# KiCad board adatv2.kicad_pcb (continued)
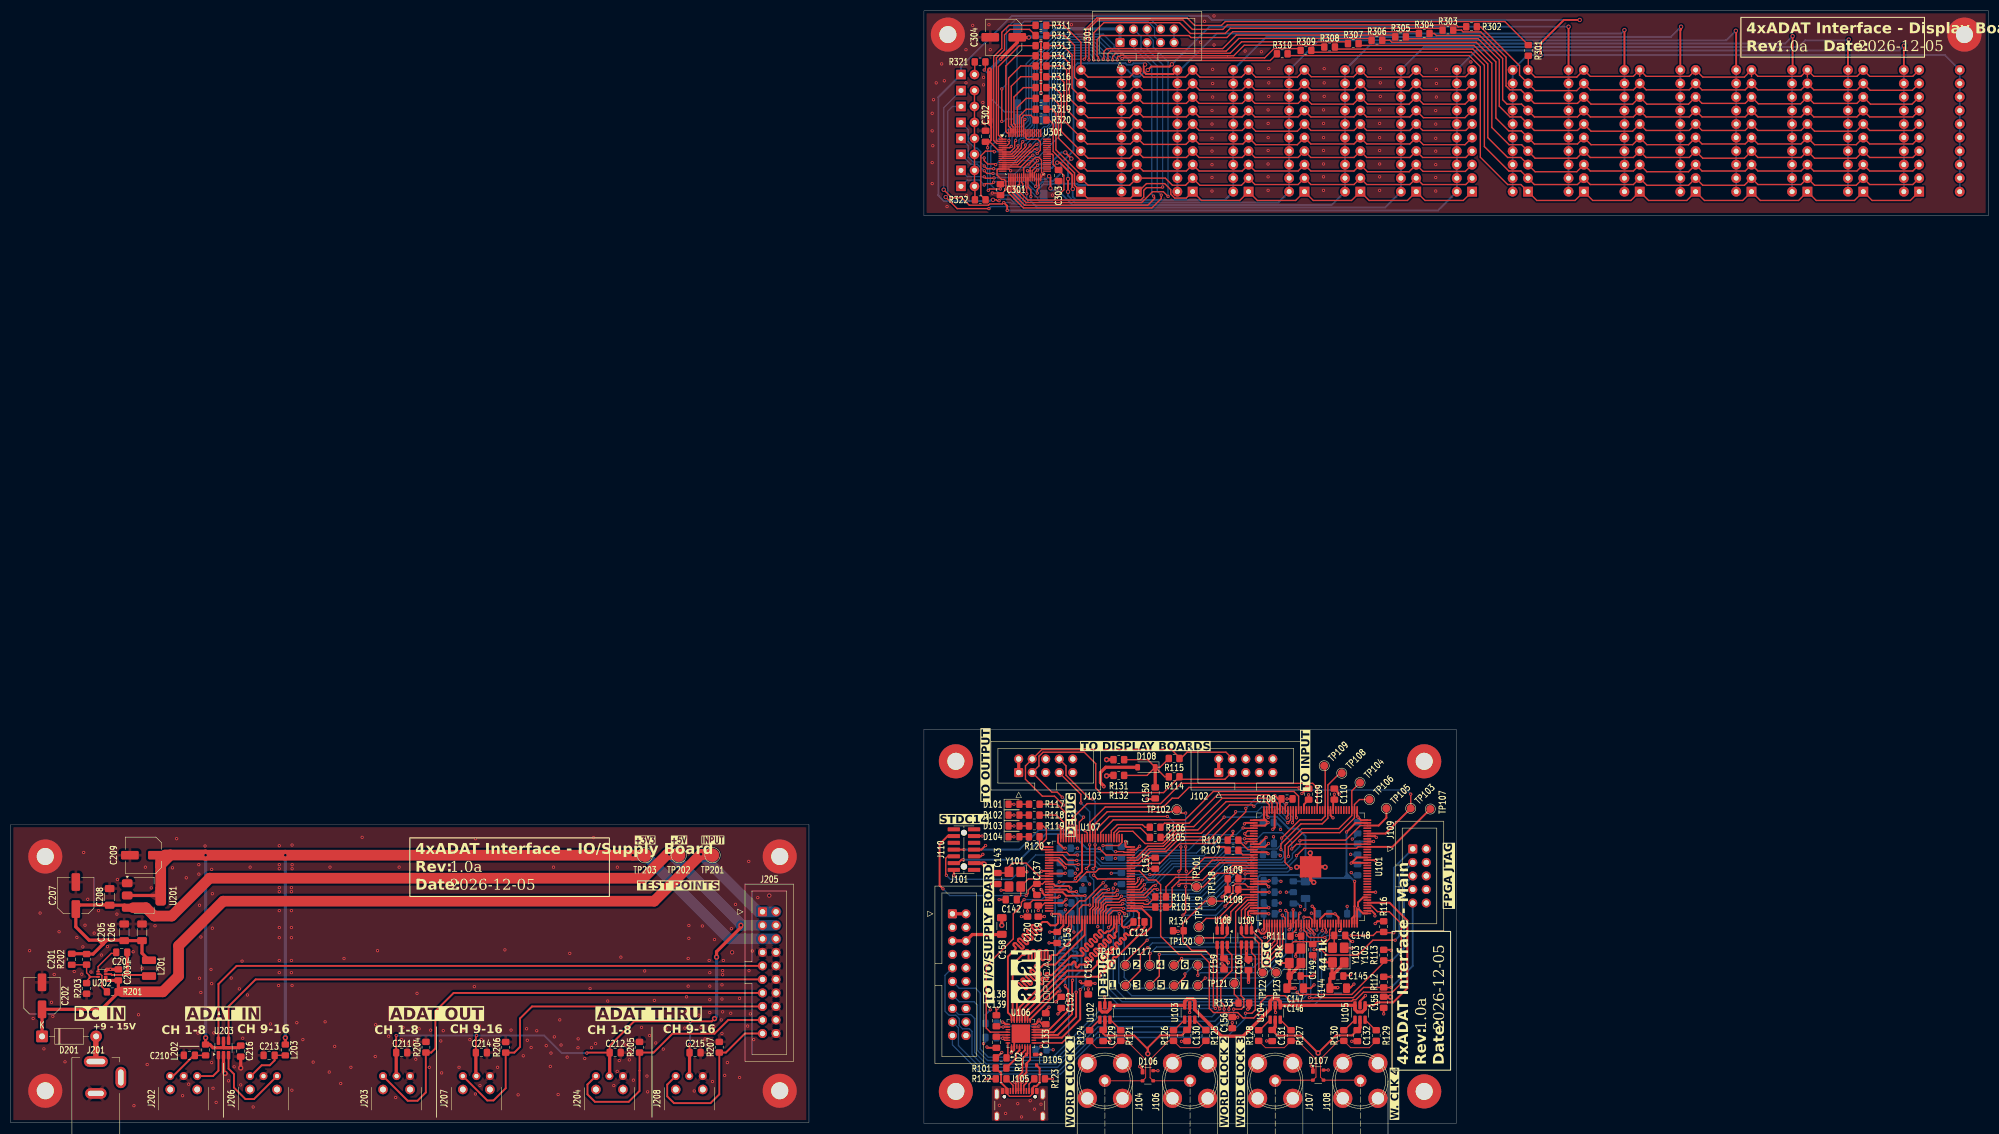
[diagram p0: board, top side]
## Routing (per net, layer and track width the routed paths; a pad name or vN(x,y) marks a point on that pad's centre or on a via; arc(x,y) is an arc through that point) (continued)
ADAT_OUT2_USER2: length 36.7
  F.Cu (sig) w0.25: U107.70 211.77,49.41 213.92,51.55 216.84,51.55 219.12,53.83 224.33,53.83 v1(228.01,57.52) ; U101.98 240.5,56.99 v1(239.98,56.48)
  B.Cu (sig) w0.25: 237.96,58.41 238,58.36 ; 237.96,58.41 235.63,58.41 234.75,57.52 v1(228.01,57.52) ; 237.96,58.41 238,58.36 ; 238,58.36 239.74,56.63 239.82,56.63 v1(239.98,56.48)
ADAT_OUT2_USER3: length 39.4
  F.Cu (sig) w0.25: U107.71 211.51,49.91 213.66,52.06 216.58,52.06 219,54.47 223.7,54.47 229.03,59.8 233.35,59.8 v1(233.6,59.55) ; v1(240.84,56.48) 241,56.63 U101.97
  B.Cu (sig) w0.25: v1(233.6,59.55) 234.24,60.18 238.17,60.18 240.84,57.52 v1(240.84,56.48)
ADAT_THRU1: length 17.3
  F.Cu (sig) w0.25: TP122.1 234.54,29.02 234.54,33.84 233.48,34.91 231.83,34.91 231.25,35.48 U109.3 231.25,40.03 232.66,41.44 U101.140
ADAT_THRU1_DRIVEN: length 78
  F.Cu (sig) w0.25: U109.4 231.25,32.78 231.19,32.72 231.19,23.99 231.7,23.48 231.7,21.9 231.25,21.45 v1(229.79,21.45)
  B.Cu (sig) w0.25: v1(229.79,21.45) 229.79,20.31 226.62,17.13 204.26,17.13 197.03,9.89 182.79,9.89 178.09,14.59 178.09,17.91 J101.17
ADAT_THRU2: length 16.9
  F.Cu (sig) w0.25: 232.16,40.29 232.08,40.21 ; 232.16,40.29 231.95,40.08 231.95,38.72 233.15,37.52 U109.1 235.13,34.29 235.13,29.96 235.53,29.55 236.42,29.55 237.67,28.31 TP123.1 ; 232.16,40.29 232.81,40.94 U101.141
ADAT_THRU2_DRIVEN: length 79
  F.Cu (sig) w0.25: v1(232.02,20.68) 232.02,20.69 233.22,20.69 233.86,21.32 233.86,31.35 233.15,32.06 U109.6
  B.Cu (sig) w0.25: J101.19 176.96,14.72 182.42,9.26 197.28,9.26 204.14,16.12 228.39,16.12 232.02,19.74 v1(232.02,20.68)
DISPLAY_GND: length 32.7
  F.Cu (sig) w0.25: v1(187.88,178.93) 187.56,179.25 U301.15 185.54,179.25 185.34,179.06 185.34,178.13 186.2,177.27 186.68,177.27 186.98,176.97 186.98,175.34 C301.2 185.57,174.74 v1(184.45,174.74) ; U301.32 193.55,177.72 v1(194.1,178.28) 194.07,178.28 193.7,178.65 193.7,180.93 193.2,181.43 192.54,181.43 v1(191.31,180.2) 191.06,180.2 190.35,179.49 U301.24
  F.Cu (sig) w0.35: v1(193.58,203.15) 193.6,203.13 v1(193.6,193.53)
  B.Cu (sig) w0.35: v1(194.1,178.28) 194.1,178.42 ; J301.9 J301.10
  vias: v1(173.15,189.72) v1(173.15,186.42) v1(173.15,180.45) v1(173.15,176.52) v1(173.28,183.63) v1(173.4,192.26) v1(173.91,195.44) v1(174.93,199) v1(175.44,195.82) v1(175.94,172.2) v1(179.5,201.66) v1(179.5,195.44) v1(179.63,174.23) v1(180.77,206.23) v1(182.68,191.76) v1(182.8,196.45) v1(182.8,195.06) v1(182.93,187.82) v1(183.82,206.36) v1(184.07,201.66) v1(195.76,174.36) v1(199.31,206.36) v1(223.57,203.06) v1(224.33,207) v1(225.73,190.23) v1(225.73,187.69) v1(225.73,185.03) v1(225.73,182.61) v1(225.73,180.07) v1(225.73,177.66) v1(225.73,175.12) v1(225.85,197.98) v1(225.85,195.31) v1(225.85,192.77) v1(226.11,208.01) v1(226.11,202.55) v1(231.95,201.41) v1(235,201.28) v1(236.27,190.36) v1(236.27,187.82) v1(236.27,185.15) v1(236.27,182.74) v1(236.27,180.2) v1(236.27,177.79) v1(236.27,175.25) v1(236.4,198.11) v1(236.4,195.44) v1(236.4,192.9) v1(246.68,190.36) v1(246.68,187.82) v1(246.68,185.15) v1(246.68,182.74) v1(246.68,180.2) v1(246.68,177.79) v1(246.68,175.25) v1(246.81,198.11) v1(246.81,195.44) v1(246.81,192.9) v1(257.22,190.36) v1(257.22,187.82) v1(257.22,185.15) v1(257.22,182.74) v1(257.22,180.2) v1(257.22,177.79) v1(257.22,175.25) v1(257.35,198.11) v1(257.35,195.44) v1(257.35,192.9) v1(267.76,190.23) v1(267.76,187.69) v1(267.76,185.03) v1(267.76,182.61) v1(267.76,180.07) v1(267.76,177.66) v1(267.76,175.12) v1(267.89,197.98) v1(267.89,195.31) v1(267.89,192.77) v1(274.37,199.38)
FPGA_CONF_DONE: length 56.6
  F.Cu (sig) w0.25: v1(220.78,58.28) 220.01,58.28 219,59.29 218.23,58.53 206.04,58.53 203.31,55.79 U107.87 ; 220.78,47.48 v1(220.78,51.93) ; v1(228.18,40.79) 230.67,43.28 R108.2 230.67,43.94 U101.135 ; v1(220.78,44.44) 220.78,39.61 v1(220.27,39.1)
  B.Cu (sig) w0.25: v1(220.27,39.1) 226.49,39.1 v1(228.18,40.79) ; v1(220.9,47.36) 220.9,44.94 220.78,44.82 v1(220.78,44.44) ; v1(220.78,58.28) v1(220.78,51.93)
FPGA_STATUS: length 46.7
  F.Cu (sig) w0.25: v1(219.5,47.36) 219.89,47.74 v1(219.89,51.93) ; v1(219.5,44.69) 219.86,45.04 221.69,45.04 222.43,44.31 222.55,44.44 224.08,44.44 226.62,46.98 230.3,46.98 230.68,46.59 R109.2 230.7,45.94 U101.131 ; U107.86 203.81,55.03 206.42,57.64 v1(217.35,57.64)
  B.Cu (sig) w0.25: v1(219.5,47.36) v1(219.5,44.69) ; v1(219.89,51.93) 219.89,55.23 217.6,57.52 217.47,57.52 v1(217.35,57.64)
FPGA_TCK: length 36.6
  F.Cu (sig) w0.25: v1(246.94,34.91) 244.05,34.91 243.54,35.42 243.54,35.77 243.01,36.3 243.01,37.51 U101.16 ; v1(251.89,35.29) 256.02,35.29 256.68,35.96 R116.1 258.14,35.8 v1(259.89,35.8)
  B.Cu (sig) w0.25: v1(251.89,35.29) 247.32,35.29 v1(246.94,34.91)
  B.Cu (sig) w0.35: v1(259.89,35.8) 259.89,47.99 J109.1
FPGA_TDI: length 48.1
  F.Cu (sig) w0.25: U101.17 243.5,36.7 244.14,36.05 v1(244.14,35.8) ; v1(244.02,23.61) 252.27,23.61 254.19,25.53 R112.2 258,25.51 v1(259.38,25.51)
  B.Cu (sig) w0.25: v1(244.14,35.8) 244.27,35.67 244.27,23.86 v1(244.02,23.61)
  B.Cu (sig) w0.35: J109.9 263.45,29.58 v1(259.38,25.51)
FPGA_TDO: length 38.1
  F.Cu (sig) w0.25: v1(244.9,32.62) 246.3,32.62 247.32,31.61 253.16,31.61 255.95,34.4 v1(260.14,34.4) ; U101.18 244,36.79 244.27,36.51 244.29,36.51 244.75,36.05 244.75,35.7 v1(244.9,35.55)
  B.Cu (sig) w0.25: v1(244.9,35.55) v1(244.9,32.62)
  B.Cu (sig) w0.35: v1(260.14,34.4) 260.91,35.16 260.91,46.47 J109.3
FPGA_TMS: length 51.5
  F.Cu (sig) w0.25: v1(241.73,24.62) 242.14,24.21 243.76,24.21 243.76,24.21 244.27,24.21 244.27,24.21 251.98,24.21 257.99,30.21 R113.2 v1(259.51,30.59) ; v1(242.4,36.31) 242.4,36.46 242.49,36.55 242.49,37.52 U101.15
  B.Cu (sig) w0.25: v1(241.73,24.62) 242.24,25.13 242.24,36.15 v1(242.4,36.31)
  B.Cu (sig) w0.35: J109.5 261.8,44.82 261.8,32.88 v1(259.51,30.59)
GPIO_ADAT1_LOCKED: length 55.3
  F.Cu (sig) w0.25: v1(238.68,51.42) 238.68,52.49 242.44,56.25 246.43,56.25 247.5,57.31 U101.84 247.5,63.54 249.73,65.77 TP108.1 ; v1(213.03,44.82) 212.12,43.91 U107.59
  B.Cu (sig) w0.25: v1(238.68,51.42) 239.19,50.91 239.19,50.02 238.68,49.52 233.86,49.52 232.84,50.53 228.27,50.53 226.49,48.75 218.23,48.75 214.78,45.3 213.51,45.3 v1(213.03,44.82)
GPIO_ADAT2_LOCKED: length 52.4
  F.Cu (sig) w0.25: v1(238.81,53.58) 242.24,57.01 246.3,57.01 247,57.7 U101.85 247,66.98 TP109.1 ; v1(212.65,45.71) 212.39,45.45 212.39,45.15 211.64,44.41 U107.60
  B.Cu (sig) w0.25: v1(212.65,45.71) 214.42,45.71 217.98,49.26 226.24,49.26 228.14,51.17 233.98,51.17 234.36,51.55 237.92,51.55 238.81,52.44 v1(238.81,53.58)
GPIO_F_{s}_SEL: length 60
  F.Cu (sig) w0.25: v1(213.53,41.91) U107.55 ; v1(240.59,47.87) 239.44,49.01 239.44,52.18 242.62,55.36 249.54,55.36 252,57.81 U101.75 252,62.45 TP104.1
  B.Cu (sig) w0.25: v1(213.53,41.91) 214.17,41.26 224.45,41.26 230.92,47.73 231.96,47.73 232.46,47.23 239.95,47.23 v1(240.59,47.87)
GPIO_I2S_RESYNC_REQ: length 55.3
  F.Cu (sig) w0.25: v1(215.06,44.69) 214.67,44.69 212.88,42.91 U107.57 ; 255.19,60.82 253.42,60.82 252.5,59.89 U101.74 252.5,57.36 249.73,54.6 242.75,54.6 240.08,51.93 v1(240.08,50.15)
  B.Cu (sig) w0.25: v1(215.06,44.69) 218.62,48.25 226.74,48.25 228.27,49.77 232.52,49.77 233.28,49.01 238.94,49.01 v1(240.08,50.15)
GPIO_I2S_RUNNING: length 64.4
  F.Cu (sig) w0.25: 241.6,50.41 v1(241.6,50.28) 243,51.68 252.91,51.68 253.17,51.94 U101.62 254.9,51.93 ; U107.58 212.47,43.41 v1(213.08,44.01)
  F.Cu (sig) w0.35: U101.62 259.64,51.94 TP107.1
  B.Cu (sig) w0.25: v1(241.6,50.28) 241.6,49.77 239.7,47.87 232.59,47.87 231.95,48.5 228.78,48.5 223.44,43.17 215.06,43.17 214.22,44.01 v1(213.08,44.01)
GPIO_LOOPBACK: length 51.4
  F.Cu (sig) w0.25: v1(240.71,51.55) 241.6,52.44 U101.63 ; U107.61 211.28,44.91 211.76,45.38 211.76,45.83 v1(211.88,45.96)
  B.Cu (sig) w0.25: v1(211.88,45.96) 212.24,46.31 213.18,46.31 213.38,46.12 214.3,46.12 214.65,46.47 214.65,46.69 217.73,49.77 225.85,49.77 227.89,51.8 232.59,51.8 235.38,54.6 238.94,54.6 240.71,52.82 v1(240.71,51.55)
GPIO_MCU_READY: length 79.3
  F.Cu (sig) w0.25: U107.88 202.81,56.56 205.66,59.42 216.58,59.42 218.23,61.07 219.38,61.07 221.41,63.1 241.98,63.1 v1(242.11,62.98) ; v1(263.07,61.84) TP103.1
  F.Cu (sig) w0.35: TP103.1 258.33,54.44 U101.67
  B.Cu (sig) w0.25: v1(242.11,62.98) 242.49,62.6 262.3,62.6 v1(263.07,61.84)
GPIO_PLL_LOCKED: length 57.7
  F.Cu (sig) w0.25: U101.70 253.58,55.94 250.84,53.2 242.37,53.2 v1(242.24,53.07) ; U107.56 213.16,42.41 214.8,44.05 215.32,44.05 v1(215.44,43.93)
  F.Cu (sig) w0.35: U101.70 257.04,55.94 258.49,57.39 TP105.1
  B.Cu (sig) w0.25: v1(242.24,53.07) 242.24,52.06 240.84,50.66 240.84,49.9 239.44,48.5 232.84,48.5 232.2,49.13 228.38,49.13 226.1,46.85 225.73,46.85 222.71,43.83 215.54,43.83 v1(215.44,43.93)
I2C_SCL: length 65.4
  F.Cu (sig) w0.25: v1(201.6,57.52) 201.6,57.39 200.81,56.6 U107.92 ; v1(197.6,61.26) 196.65,62.22 195.63,62.22 191.98,65.87 191.95,65.87 193.22,67.14 193.22,68.95 193.98,69.71 201.72,69.71 203.88,67.55 203.88,62.98 204.74,62.13 216.64,62.13 R114.1 220.09,64.63 228.15,64.63 229.52,66
  B.Cu (sig) w0.25: v1(201.6,57.52) 201.47,57.64 201.22,57.64 v1(197.6,61.26)
I2C_SDA: length 60.8
  F.Cu (sig) w0.25: 229.52,68.54 228.35,69.71 221.03,69.71 219.85,68.53 R115.1 219.62,68.71 218.11,70.22 193.75,70.22 190.68,67.14 190.68,64.63 193.85,61.45 196.14,61.45 v1(197.79,59.8) ; v1(200.07,57.01) 200.07,56.12 200.31,55.89 U107.93
  B.Cu (sig) w0.25: v1(197.79,59.8) 200.07,57.52 v1(200.07,57.01)
I2S_CH1-8_BCLK: length 44.4
  F.Cu (sig) w0.25: U101.95 242,61.44 241.1,62.34 225.98,62.34 220.65,57.01 207.19,57.01 204.81,54.63 U107.84
I2S_CH1-8_LRCLK: length 57.2
  F.Cu (sig) w0.25: U101.88 245.5,63.02 244.65,63.87 219.89,63.87 216.08,60.06 202.26,60.06 198.81,56.6 U107.96
I2S_CH1-8_MISO: length 21.9
  F.Cu (sig) w0.25: R103.2 217.85,40.63 218.23,41.01 218.23,44.28 219.66,45.71 223.95,45.71 227.18,48.94 U101.125
I2S_CH1-8_MOSI: length 20.5
  F.Cu (sig) w0.25: U101.124 225.78,49.44 222.55,46.21 218.87,46.21 217.08,44.42 R104.2
I2S_CH9-16_BCLK: length 35.1
  F.Cu (sig) w0.25: U107.78 207.81,54.38 208.28,54.85 210.87,54.85 213.16,52.56 216.46,52.56 216.62,52.73 216.63,52.73 216.94,53.03 216.94,53.04 219,55.1 223.06,55.1 228.39,60.44 235.89,60.44 236.5,59.83 U101.106
I2S_CH9-16_LRCLK: length 40.7
  F.Cu (sig) w0.25: v1(205.28,45.2) 201.88,41.79 200.86,41.79 198.31,39.24 U107.29 ; U101.123 224.37,49.94 221.16,46.72 v1(214.04,46.72)
  B.Cu (sig) w0.25: v1(205.28,45.2) 206.06,45.98 209.75,45.98 210.49,46.72 v1(214.04,46.72)
I2S_CH9-16_MISO: length 25.7
  F.Cu (sig) w0.25: U101.105 237,60.22 236.14,61.07 227.63,61.07 222.3,55.74 218.74,55.74 216.71,53.71 R105.2
I2S_CH9-16_MOSI: length 26.4
  F.Cu (sig) w0.25: R106.2 216.81,56.37 221.41,56.37 226.74,61.71 236.4,61.71 238,60.11 U101.103
I2S_MCLK: length 96.4
  F.Cu (sig) w0.25: U101.40 255.64,40.94 256.82,39.76 259.03,39.76 261.29,37.5 261.29,26.31 259.62,24.64 254.19,24.64 252.77,23.22 252.24,23.22 252,22.97 240.46,22.97 239.44,23.99 236.14,23.99 234.9,22.74 234.9,21.12 233.58,19.8 231.57,19.8 230.55,20.81 226.01,20.81 225.22,21.6 225.22,30.19 223.67,31.74 219.5,31.74 216.08,35.16 216.08,44.82 215.19,45.71 213.79,45.71 212.09,47.41 U107.66
MCU_DEBUG0: length 10.3
  F.Cu (sig) w0.25: R117.2 196.65,59.93 198.31,58.27 U107.97
MCU_DEBUG1: length 8
  F.Cu (sig) w0.25: R118.2 196.52,57.9 197.81,56.61 U107.98
MCU_DEBUG2: length 6.3
  F.Cu (sig) w0.25: U107.1 194.13,51.91 193.85,52.18 193.85,52.69 194.61,53.45 194.61,55.23 193.98,55.87 R119.2
MCU_DEBUG3: length 4
  F.Cu (sig) w0.25: R120.2 193.33,51.82 193.74,51.41 U107.2
MCU_RESET: length 33.9
  F.Cu (sig) w0.25: v1(190.8,42.78) 191.18,43.17 191.18,43.8 192.35,44.97 C137.1 193.89,44.97 194.33,45.41 U107.14
  F.Cu (sig) w0.35: v1(175.18,44.06) 174.55,44.69 174.55,52.44 176.06,53.96 J110.12
  B.Cu (sig) w0.25: v1(175.18,44.06) 176.45,42.78 v1(190.8,42.78)
MCU_XTAL1: length 12
  F.Cu (sig) w0.25: U107.12 195.07,46.47 193.22,46.47 190.8,48.88 188.26,48.88 187.59,48.21 Y101.3 187.38,47.02 C143.1
MCU_XTAL2: length 8.8
  F.Cu (sig) w0.25: C142.1 189.79,42.76 Y101.1 ; Y101.1 189.83,44.44 189.83,44.52 191.21,45.91 U107.13 ; Y101.1 189.83,44.44
SW_LOOPBACK: length 32.4
  F.Cu (sig) w0.25: v1(203.5,46.59) 204.19,45.91 U107.63 ; 197.03,68.41 198.3,67.14 198.3,65.39 202.74,60.95 v1(203.25,60.95) ; v1(203.76,52.31) 203.76,48.25 v1(203.38,47.87)
  B.Cu (sig) w0.25: v1(203.38,47.87) 203.5,47.74 v1(203.5,46.59) ; v1(203.76,52.31) 203.76,60.44 v1(203.25,60.95)
SW_SAMPLERATE: length 32.7
  F.Cu (sig) w0.25: v1(202.74,41.01) 201.47,41.01 200.81,40.34 U107.34 ; 197.03,65.87 201.09,61.8 v1(201.09,60.18) ; v1(202.74,52.31) 202.74,48.5 v1(202.11,47.87)
  B.Cu (sig) w0.25: v1(201.09,60.18) 202.74,58.53 v1(202.74,52.31) ; v1(202.11,47.87) 202.74,47.23 202.74,46.47 203.5,45.71 203.5,43.17 202.74,42.4 v1(202.74,41.01)
SWD_SWCLK: length 42.4
  F.Cu (sig) w0.25: 177.21,50.15 176.06,50.15 175.69,49.78 175.69,46.72 v1(175.82,46.59) ; U107.76 208.81,52.78 208.21,52.18 v1(205.25,52.18)
  B.Cu (sig) w0.25: v1(205.25,52.18) 205.25,51.39 204.87,51.01 200.2,51.01 199.6,50.41 192.58,50.41 188.01,45.83 176.58,45.83 v1(175.82,46.59)
SWD_SWDIO: length 37.5
  F.Cu (sig) w0.25: v1(204.52,51.68) 204.39,51.68 204.52,51.55 204.65,51.55 205.79,50.41 U107.72
  F.Cu (sig) w0.35: v1(178.99,49.52) 178.66,49.52 178.02,48.88 J110.4
  B.Cu (sig) w0.35: v1(204.52,51.68) 204.39,51.55 202.23,51.55 199.44,54.34 194.49,54.34 189.66,49.52 v1(178.99,49.52)
SWD_SWO: length 27.8
  F.Cu (sig) w0.25: U107.89 202.31,54.52 v1(201.85,54.98)
  F.Cu (sig) w0.35: v1(179.12,51.42) J110.8
  B.Cu (sig) w0.35: v1(179.12,51.42) 189.53,51.42 193.22,55.1 201.72,55.1 v1(201.85,54.98)
USB_D+: length 13.2
  F.Cu (sig) w0.315: 190.35,6.18 190.35,7.1 190.85,7.6 v1(190.85,8.5) ; 189.35,6.18 189.35,8.84 190.1,9.59 190.1,12.16 D105.2 191.06,13.12 U106.7
  B.Cu (sig) w0.315: v1(190.85,8.5) v1(189.1,8.5)
USB_D-: length 12.4
  F.Cu (sig) w0.315: 188.85,5.93 188.85,7.5 v1(188.6,7.75) ; 189.85,6.18 189.85,8.54 190.87,9.56 D105.3 190.87,11.27 191.56,11.96 U106.8
  B.Cu (sig) w0.315: v1(188.6,7.75) v1(190.1,7.75)
USB_VBUS: length 17
  F.Cu (sig) w0.25: 187.2,5.93 187.2,5.57 187.7,5.08 191.52,5.08 192,5.56 192,5.93
  F.Cu (sig) w0.35: R101.2 186.1,9.38 186.1,7.63 187.2,6.53 J105.A4 ; D105.4 193.34,10.35 193.34,7.61 192.72,6.98 192.33,6.98 192,6.65 J105.A9
WORD_CLK: length 94.9
  F.Cu (sig) w0.25: 206.55,21.38 U102.1
  F.Cu (sig) w0.35: U105.1 256.16,22.16 256.72,22.72 259.76,22.72 262.43,25.39 262.43,38.09 259.08,41.44 U101.41
  F.Cu (sig) w0.6: U102.3 204.65,21.38 205.1,20.93 206.02,20.93 206.55,21.46 U102.1 U103.3 220.59,22.87 221.12,23.4 222.13,23.4 222.49,23.04 U103.1 222.49,21.38 222.49,21.38 225.22,18.66 225.22,18.66 227.38,16.5 227.38,16.37 231.57,16.37 235.25,20.05 235.25,20.05 236.65,21.45 U104.3 236.65,22.94 237.11,23.4 238.03,23.4 238.56,22.87 U104.1 U105.3 252.59,21.38 253.04,20.93 253.96,20.93 254.49,21.46 U105.1
Net-(C138-Pad1): length 10.4
  F.Cu (sig) w0.25: U106.15 193.04,18.1 v1(193.22,18.27) 193.09,18.27 ; 185.47,18.23 C138.1 185.34,18.1 v1(186.48,18.1) U106.26
  B.Cu (sig) w0.25: v1(186.48,18.1) 186.66,18.27 v1(193.22,18.27)
Net-(D101-A): length 1.8
  F.Cu (sig) w0.25: R117.1 D101.2
Net-(D102-A): length 1.8
  F.Cu (sig) w0.25: R118.1 D102.2
Net-(D103-A): length 1.8
  F.Cu (sig) w0.25: R119.1 D103.2
Net-(D104-A): length 1.8
  F.Cu (sig) w0.25: R120.1 D104.2
Net-(D108-K): length 23.3
  F.Cu (sig) w0.25: R114.2 216.84,65.11 D108.1 ; D108.1 213.53,65.36 R132.2 ; D108.1 213.63,68.31 R131.2 ; D108.1 215.97,66.88 R115.2
  F.Cu (sig) w0.6: D108.1 215.06,66.88 215.06,62.99
Net-(J105-CC1): length 3
  F.Cu (sig) w0.25: 188.35,5.93 188.35,7.14 187.13,8.37 R122.1
Net-(J105-CC2): length 2.8
  F.Cu (sig) w0.25: 191.35,5.93 191.35,7.38 R123.1
Net-(J202-VCC): length 8.3
  F.Cu (sig) w0.25: C210.1 34.64,12.76 L202.2
  F.Cu (sig) w0.35: C210.1 34.43,12.78 30.53,8.88 J202.1
Net-(J202-VOUT): length 7.3
  F.Cu (sig) w0.35: 39.04,12.81 39.04,9.9 38.02,8.88 38.02,8.88 35.05,8.88
Net-(J206-VCC): length 8.8
  F.Cu (sig) w0.25: C213.1 51.6,12.78 L203.2
  F.Cu (sig) w0.35: C213.1 49.61,11.82 48.69,10.91 47.17,10.91 45.14,8.88 44.97,8.88
Net-(J206-VOUT): length 17.3
  F.Cu (sig) w0.35: 40.94,12.81 40.94,10.27 41.96,9.26 41.96,6.72 44.12,4.56 45.72,4.56 J206.3
Net-(J301-A0): length 60.8
  F.Cu (sig) w0.25: v1(216.46,175.88) 216.46,175.75 213.41,175.75 212.9,175.25 212.9,173.98 212.35,173.42 191.1,173.42 188.75,175.77 U301.20
  B.Cu (sig) w0.25: J301.5 213.52,201.8 216.46,198.87 v1(216.46,175.88)
Net-(J301-A1): length 66.7
  F.Cu (sig) w0.25: v1(217.47,174.1) 216.58,174.99 214.55,174.99 212.52,172.96 190.8,172.96 188.35,175.41 U301.19
  B.Cu (sig) w0.25: v1(217.47,174.1) 217.47,199.38 214.68,202.17 214.68,203.43 213.52,204.59 J301.6
Net-(J301-SCL): length 62.1
  F.Cu (sig) w0.25: U301.18 187.95,175.03 190.52,172.45 213.66,172.45 214.93,173.72 214.93,173.98 v1(214.74,174.17)
  B.Cu (sig) w0.25: J301.3 210.98,202.06 214.43,198.61 214.43,174.48 v1(214.74,174.17)
Net-(J301-SDA): length 67.5
  F.Cu (sig) w0.25: v1(216.2,174.36) 216.2,173.72 214.43,171.94 190.29,171.94 187.55,174.69 U301.17
  B.Cu (sig) w0.25: J301.4 212.4,204.13 212.4,201.66 215.44,198.61 215.44,175.12 v1(216.2,174.36)
Net-(R121-Pad1): length 2.8
  F.Cu (sig) w0.25: 206.55,19.54 208.34,17.75 208.58,17.75
Net-(R124-Pad1): length 2.7
  F.Cu (sig) w0.25: 202.74,17.73 202.84,17.73 204.65,19.54
Net-(R125-Pad1): length 2.9
  F.Cu (sig) w0.25: U103.6 224.46,17.5 R125.1
Net-(R126-Pad1): length 2.9
  F.Cu (sig) w0.25: U103.4 218.62,17.5 R126.1
Net-(R127-Pad1): length 2.8
  F.Cu (sig) w0.25: R127.1 240.52,17.5 U104.6
Net-(R128-Pad1): length 3
  F.Cu (sig) w0.25: R128.1 234.69,17.5 U104.4
Net-(R129-Pad1): length 2.9
  F.Cu (sig) w0.25: R129.1 256.46,17.5 U105.6
Net-(R130-Pad1): length 2.9
  F.Cu (sig) w0.25: U105.4 250.62,17.5 R130.1
Net-(U101A-VCCA1): length 79.8
  F.Cu (sig) w0.35: 252.5,38.97 U101.35 ; 252.5,38.97 252.5,40.75 252.52,40.78 v1(252.52,45.45) ; 252.5,38.97 252,38.47 U101.34 ; v1(234.38,36.3) 234.52,36.16 234.52,36.12 234.98,35.65 235.52,35.65 236,36.12 U101.2 ; v1(251,54.72) 252.71,56.44 U101.71 ; v1(236.27,57.44) 236.27,57.61 236,57.88 U101.107
  B.Cu (sig) w0.35: 251,46.09 251.13,46.09 ; 251,46.09 250.24,46.09 ; 251,46.09 251,46.59 ; 251,46.09 251.51,46.09 ; 250.24,46.09 250.49,46.09 251,46.59 ; 250.24,46.09 244.02,46.09 C128.1 ; 251.51,46.09 251,46.59 ; 251.51,46.09 251.89,46.09 ; 251,46.59 251,46.98 ; v1(234.38,36.3) 234.36,36.31 234.36,46.21 234.75,46.59 234.8,46.59 234.84,46.63 242.03,46.63 C128.1 ; 251.89,46.09 251,46.98 ; 251.89,46.09 v1(252.52,45.45) ; 251,46.98 v1(251,54.72) ; v1(236.27,57.44) 236.42,57.59 237.89,57.59 240.13,55.36 241.86,55.36 243.3,53.92 C128.1 ; C128.1 243.2,45.46 L101.2
Net-(U101B-CONFIG_SEL): length 3.6
  F.Cu (sig) w0.25: R110.2 232.44,51.44 U101.120
Net-(U101B-JTAGEN): length 2.6
  F.Cu (sig) w0.25: U101.13 241.5,36.33 240.48,35.31
Net-(U101B-nCONFIG): length 3.3
  F.Cu (sig) w0.25: U101.122 231.54,50.44 R107.2
Net-(U106-RBIAS): length 2.9
  F.Cu (sig) w0.25: R102.2 187.37,12.56 187.37,15.1 U106.32
Net-(U106-VBUS): length 5
  F.Cu (sig) w0.35: R101.1 188.9,12.21 188.9,13.07 189.56,13.73 U106.4
Net-(U106-VDDA1.8): length 2.3
  F.Cu (sig) w0.25: U106.29 185.55,16.6 C139.1
Net-(U107-PB14): length 4.7
  F.Cu (sig) w0.25: R103.1 212.87,40.63 212.66,40.83 210.55,40.83 U107.53
Net-(U107-PB15): length 5.3
  F.Cu (sig) w0.25: R104.1 213.68,41.13 213.03,41.13 212.83,41.33 210.55,41.33 U107.54
Net-(U107-PC11): length 8.9
  F.Cu (sig) w0.25: U107.79 207.31,54.59 208.2,55.49 212.28,55.49 R105.1
Net-(U107-PC12): length 9.3
  F.Cu (sig) w0.25: U107.80 206.81,54.98 207.95,56.12 212.65,56.12 213.16,55.61 R106.1
Net-(U107-VCAP_1): length 3.4
  F.Cu (sig) w0.25: v1(208.31,39.38) U107.49
  B.Cu (sig) w0.25: C140.1 207.82,39.86 v1(208.31,39.38)
Net-(U107-VCAP_2): length 4.7
  F.Cu (sig) w0.25: U107.73 209.23,50.91 209.09,51.04 v1(207.62,51.04)
  B.Cu (sig) w0.25: v1(207.62,51.04) 207.33,51.04 C141.1 206.68,51.95
Net-(U202-BST): length 5.4
  F.Cu (sig) w0.25: U202.4 16.43,29.45 18.91,31.92 19.84,31.92
Net-(U202-EN): length 4.3
  F.Cu (sig) w0.25: R201.2 17.14,25.66 17.14,27.76 16.89,28.02 U202.5
Net-(U301-ROW0): length 123.8
  F.Cu (sig) w0.25: v1(192.07,181.85) 191.95,181.85 189.75,179.65 U301.14 ; R301.1 280.74,206.96 228.23,206.96 227.51,206.23 222.45,206.23 221.06,207.63 204.11,207.63 201.98,205.5 201.98,200.14 v1(201.72,199.88)
  B.Cu (sig) w0.25: v1(192.07,181.85) 192.36,181.85 192.63,181.58 193.2,181.58 197.28,185.66 197.28,197.98 199.12,199.82 199.06,199.88 v1(201.72,199.88)
Net-(U301-ROW1): length 110.7
  F.Cu (sig) w0.25: R302.1 271.93,205.98 271.93,206.02 271.63,206.32 228.61,206.32 227.76,205.47 222.04,205.47 220.27,207.25 204.26,207.25 202.61,205.6 v1(202.61,199.76) ; U301.13 189.26,180.05 191.56,182.36 191.69,182.36 192.33,182.99 v1(192.84,182.99)
  B.Cu (sig) w0.25: v1(202.61,199.76) 202.61,200.14 202.23,200.52 198.78,200.52 198.78,200.49 196.65,198.36 196.65,186.8 v1(192.84,182.99)
Net-(U301-ROW2): length 105.9
  F.Cu (sig) w0.25: v1(203.5,199.76) 203.5,204.84 205.41,206.74 219.63,206.74 221.66,204.71 228.19,204.71 229.17,205.69 268.71,205.69 R303.1 ; v1(192.84,183.88) 192.58,183.88 191.44,182.74 191.31,182.74 189.02,180.45 U301.12
  B.Cu (sig) w0.25: v1(203.5,199.76) 203.5,200.14 202.61,201.03 198.55,201.03 196.14,198.61 196.14,187.31 192.84,184.01 v1(192.84,183.88)
Net-(U301-ROW3): length 99.8
  F.Cu (sig) w0.25: v1(191.56,183.75) 191.56,183.63 188.79,180.85 U301.11 ; v1(204.39,199.76) 204.39,200.26 204.14,200.52 204.14,203.57 204.9,204.33 221.41,204.33 221.79,203.95 228.52,203.95 229.62,205.05 264.26,205.05 R304.1
  B.Cu (sig) w0.25: v1(204.39,199.76) 204.39,200.26 203.12,201.53 198.23,201.53 195.63,198.93 195.63,187.6 191.78,183.75 v1(191.56,183.75)
Net-(U301-ROW4): length 93.4
  F.Cu (sig) w0.25: v1(190.68,183.75) 190.68,183.37 188.55,181.25 U301.10 ; v1(205.28,199.88) 205.41,200.01 205.41,201.32 205.96,201.87 227.74,201.87 230.29,204.42 259.82,204.42 R305.1
  B.Cu (sig) w0.25: v1(205.28,199.88) 205.41,200.01 205.28,200.01 203.25,202.04 197.91,202.04 195.13,199.25 195.13,187.64 194.67,187.18 194.1,187.18 v1(190.68,183.75)
Net-(U301-ROW5): length 88.6
  F.Cu (sig) w0.25: 206.17,199.88 206.17,200.9 206.68,201.41 228.39,201.41 230.77,203.78 255.38,203.78 R306.1 ; U301.9 188.32,181.65 189.91,183.25 189.91,184.01 190.17,184.26 v1(190.17,184.39)
  B.Cu (sig) w0.25: v1(190.17,184.39) 190.43,184.65 190.81,184.65 192.84,186.68 192.84,197.79 197.6,202.55 203.47,202.55 206.17,199.85 v1(206.17,199.76)
Net-(U301-ROW6): length 84.1
  F.Cu (sig) w0.25: R307.1 250.93,203.15 231.28,203.15 229.12,201 207.66,201 207.06,200.39 207.06,199.88 ; U301.8 188.11,182.05 189.28,183.22 v1(189.28,183.63)
  B.Cu (sig) w0.25: v1(207.06,199.76) 207.06,199.85 206.55,200.36 206.35,200.36 206.16,200.55 206.16,200.58 203.68,203.06 197.28,203.06 192.32,198.09 192.32,189.18 192.32,189.18 192.32,187.05 190.3,185.03 189.79,185.03 189.44,184.68 189.44,183.79 v1(189.28,183.63)
Net-(U301-ROW7): length 80
  F.Cu (sig) w0.25: v1(207.95,199.76) 207.95,200.26 208.07,200.39 208.36,200.39 208.59,200.62 209.09,200.62 209.19,200.52 228.65,200.52 228.65,200.52 229.79,200.52 231.78,202.51 246.49,202.51 R308.1 ; U301.7 187.84,182.45 188.64,183.25 188.64,184.39 v1(188.83,184.58)
  B.Cu (sig) w0.25: v1(207.95,199.76) 207.95,199.85 204.23,203.57 197.03,203.57 191.82,198.36 191.82,189.26 191.94,189.15 191.94,189.02 191.94,189.02 191.94,187.43 190.17,185.66 189.53,185.66 188.83,184.96 v1(188.83,184.58)
Net-(U301-ROW8): length 74.9
  F.Cu (sig) w0.25: U301.5 187.76,183.25 v1(188.01,183.5) ; R309.1 242.04,201.88 237.36,201.88 235.62,200.14 208.96,200.14 v1(208.84,200.01)
  B.Cu (sig) w0.25: v1(208.84,200.01) 208.81,199.98 208.71,199.98 204.62,204.07 196.71,204.07 191.31,198.68 191.31,189.24 191.56,188.99 191.56,188.87 191.56,188.86 191.56,187.82 190.04,186.3 189.15,186.3 188.17,185.31 188.17,183.66 v1(188.01,183.5)
Net-(U301-ROW9): length 71
  F.Cu (sig) w0.25: U301.4 187.2,183.65 187.63,184.07 187.63,184.55 v1(187.56,184.61) ; v1(210.23,199.5) 210.36,199.63 236.67,199.63 R310.1
  B.Cu (sig) w0.25: v1(210.23,199.5) 210.23,199.63 207.99,201.87 207.62,201.87 207.31,202.18 207.31,202.55 205.28,204.58 196.39,204.58 190.8,199 190.8,189.19 190.83,189.19 191.18,188.83 ; v1(187.56,184.61) 187.63,184.67 187.63,185.91 188.9,187.18 190.04,187.18 191.18,188.33 191.18,188.71
Net-(U301-ROW10): length 29.7
  F.Cu (sig) w0.25: R311.1 187.53,206.23 186.23,204.94 186.23,201.92 184.71,200.39 184.71,184.62 185.27,184.05 U301.3
Net-(U301-ROW11): length 28.4
  F.Cu (sig) w0.25: U301.2 185.41,184.45 185.22,184.64 185.22,200.14 186.74,201.66 186.74,204.46 187.75,205.47 191.44,205.47 R312.1
Net-(U301-ROW12): length 22.6
  F.Cu (sig) w0.25: R313.1 189.53,202.42 185.6,198.49 185.6,185.63 U301.1
Net-(U301-ROW13): length 19.4
  F.Cu (sig) w0.25: U301.64 187.26,186.03 186.99,186.3 186.99,198.61 188.9,200.52 R314.1
Net-(U301-ROW14): length 16.5
  F.Cu (sig) w0.25: R315.1 189.79,198.61 187.5,196.33 187.5,187.31 187.95,186.86 U301.63
Net-(U301-ROW15): length 14.2
  F.Cu (sig) w0.25: R316.1 189.79,196.58 188.01,194.8 188.01,187.56 188.35,187.22 U301.62
Net-(U301-ROW16): length 11.6
  F.Cu (sig) w0.25: R317.1 190.29,194.55 188.52,192.77 188.52,187.82 188.75,187.59 U301.61
Net-(U301-ROW17): length 9
  F.Cu (sig) w0.25: R318.1 190.8,192.52 189.15,190.86 U301.60
Net-(U301-ROW18): length 6.8
  F.Cu (sig) w0.25: U301.59 189.55,189.23 190.8,190.49 R319.1
Net-(U301-ROW19): length 6.1
  F.Cu (sig) w0.25: U301.58 189.95,188.87 190.42,189.34 191.71,189.34 R320.1
Net-(U301-ROW20): length 18.6
  F.Cu (sig) w0.25: v1(182.93,197.85) 183.15,198.07 R321.1 ; U301.57 190.35,188.35 v1(190.58,188.58)
  B.Cu (sig) w0.25: v1(182.93,197.85) 183.94,196.84 183.94,192.77 186.74,189.98 189.91,189.98 190.17,189.72 190.17,188.99 v1(190.58,188.58)
Net-(U301-ROW21): length 26.1
  F.Cu (sig) w0.25: v1(184.83,182.49) 184.71,182.61 183.18,182.61 182.29,181.72 182.29,174.36 R322.1 ; U301.56 190.75,185.11 191.04,184.83 193.03,184.83 193.47,184.39 193.47,182.77 v1(192.88,182.18)
  B.Cu (sig) w0.25: v1(184.83,182.49) 192.49,182.49 192.79,182.18 v1(192.88,182.18)

## Copper pours and planes (outline as drawn; the poured copper is in the pictures)
+3.3V on In2.Cu (pwr): 171.6,74 171.6,0 271.6,0 271.6,74
+5V on In2.Cu (pwr): 171.6,74 171.6,64 271.6,64 271.6,74
+5V on In2.Cu (pwr): 200.2,10.53 203.12,13.57 271.57,13.83 271.6,0 200.2,-0.01
GND on F.Cu (sig): 184.35,7 184.35,0 186.35,0 194.99,-0.01 194.87,7
GND on In1.Cu (gnd): 171.6,74 171.6,0 271.6,0 271.6,74
GND_IO on F.Cu (sig): 150,0.12 150,56.12 0,56.12 0,0.12
GND_IO on B.Cu (sig): 150,0.12 150,56.12 0,56.12 0,0.12
DISPLAY_GND on F.Cu (sig), B.Cu (sig): 171.6,209 171.6,170.49 371.6,170.49 371.6,209

Small or netless copper shapes (teardrops, artwork), in the pictures only: 1 on F.Cu (sig), 2 on B.Cu (sig)

## Text on the board
B.Silkscreen: CH16 | CH15 | CH14 | CH13 | CH12 | CH11 | CH10 | CH9 | CH8 | CH7 | CH6 | CH5 | CH4 | CH3 | CH2 | CH1 | STATUS | LEVEL METERS
F.Silkscreen: TP110...TP117 | +3V3 | +5V | INPUT | +9 - 15V | 0 | 1 | 2 | 3 | 4 | 5 | 6 | 7 | WORD CLOCK 1 | WORD CLOCK 2 | WORD CLOCK 3 | OSC | 48k | 44.1k | W. CLK 4 | TEST POINTS | STDC14 | TO DISPLAY BOARDS | TO OUTPUT | TO I/O/SUPPLY BOARD | DEBUG | TO INPUT | FPGA JTAG | CH 1-8 | CH 9-16 | ${REVISION} / ${CURRENT_DATE} | ${REVISION} | ${CURRENT_DATE} | 4xADAT Interface - IO/Supply Board / Rev: / Date: | 4xADAT Interface - Display Board / Rev: | 4xADAT Interface - Main / Rev: / Date: | Date: | DC IN | ADAT IN | ADAT OUT | ADAT THRU
